# Altium PCB SAMW25_Xplained_Pro.PcbDoc (part 8 of 9) (continued)
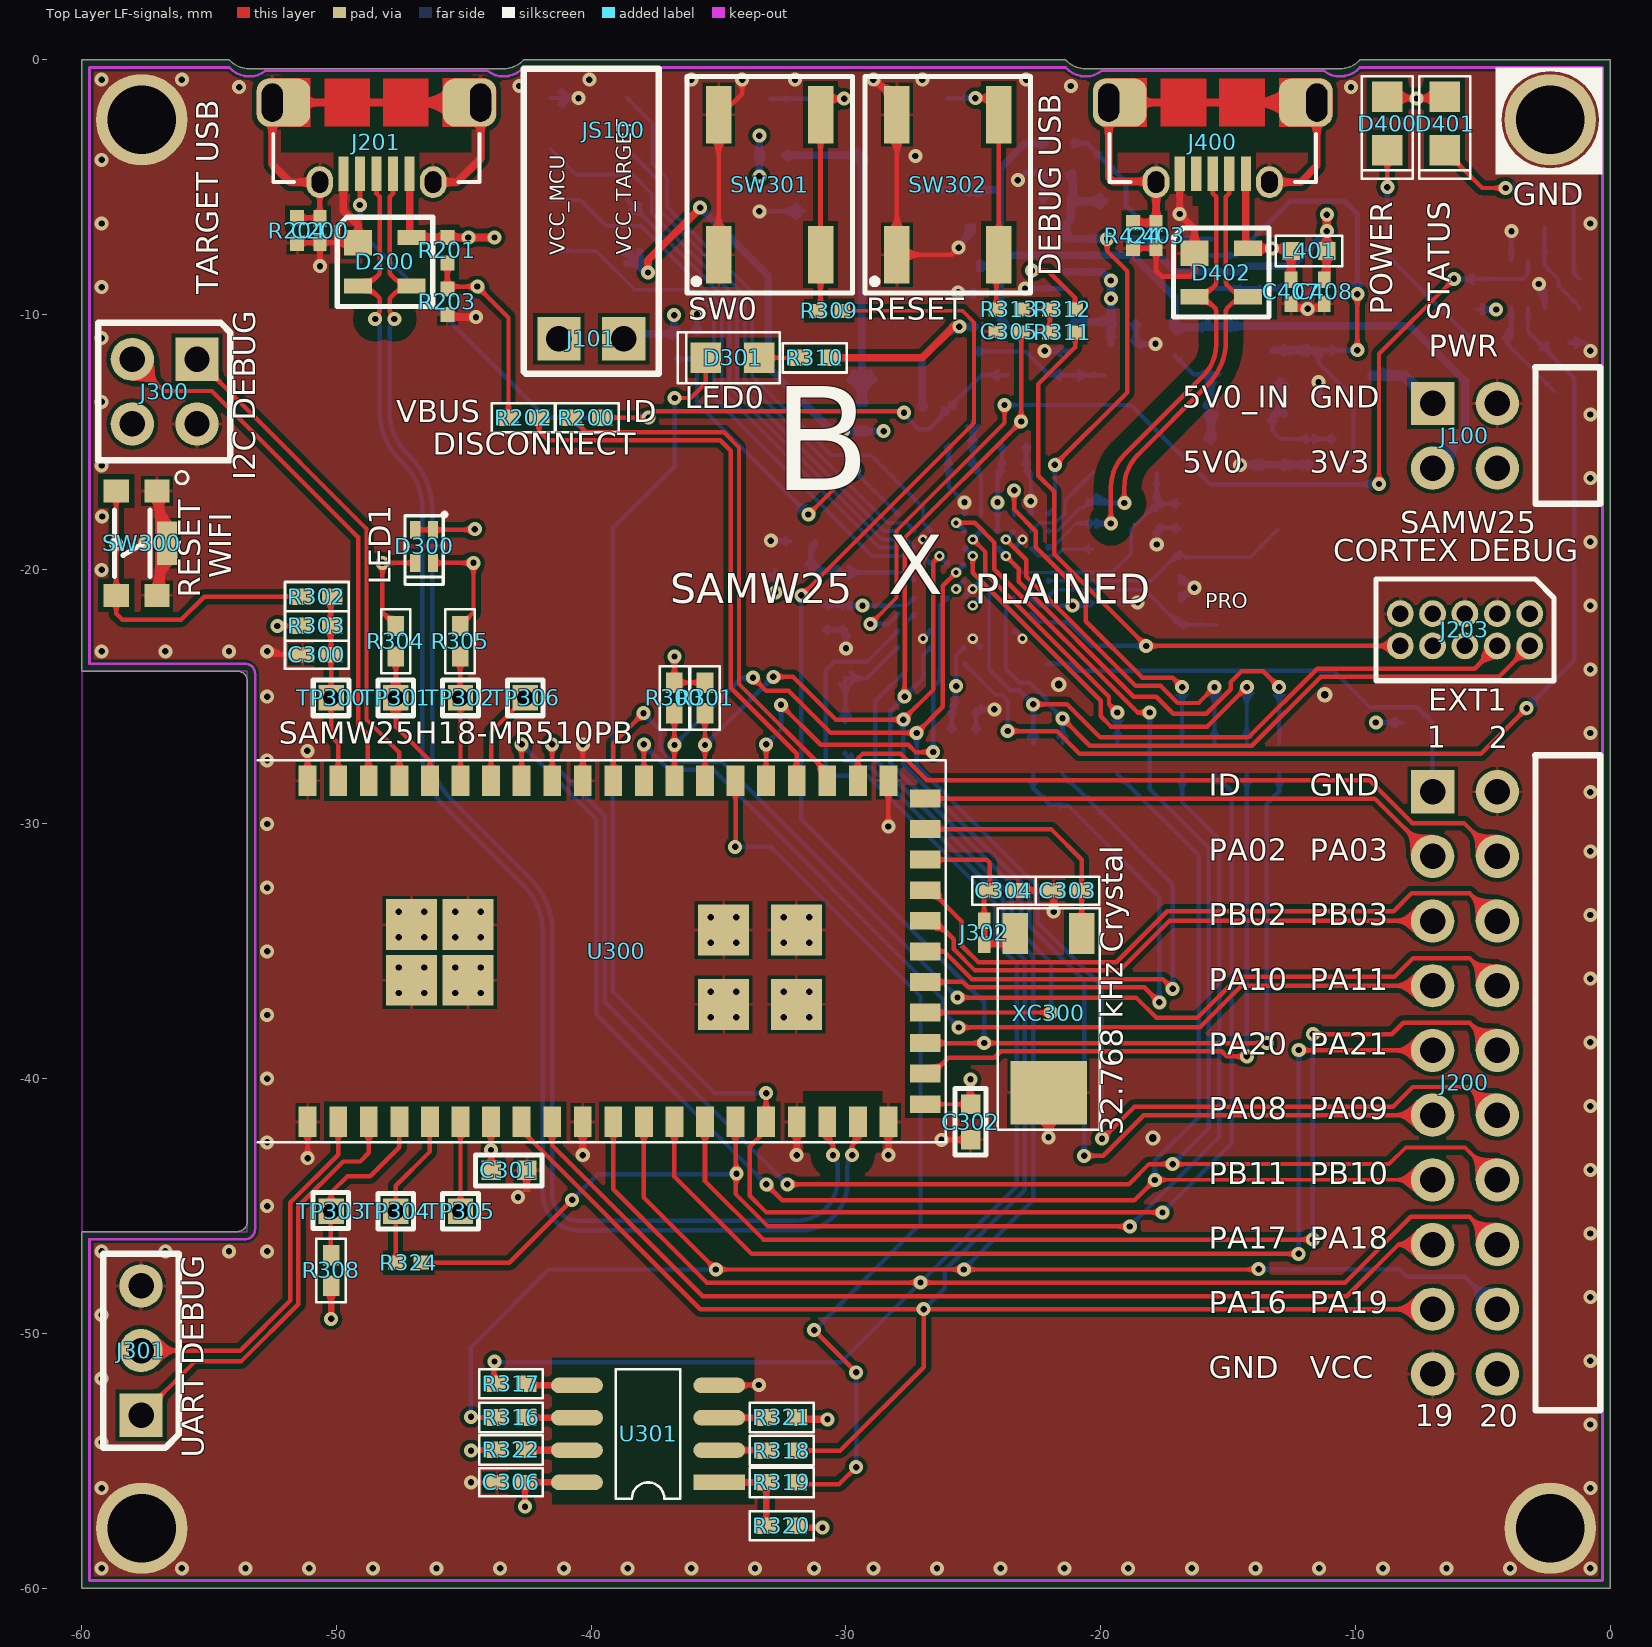
[diagram p0: Top Layer LF-signals view]
## Nets (pads, with @x,y where several pads share a name; then routed paths per layer and width w, separated by ;. In a path a pad name is that pad's centre, name@x,y a point inside that pad or via, vN(x,y) a via of type N, cw(c..) or ccw(c..) an arc to the next point about the centre after c; other vN are vias at no path point) (continued)
VCC_EDBG_USB_P5V0: C102.1 C408.1 L401.2 pad.3@-19.85,-5.55 R105.2 U101.3 U101.8 U400.A10 | length 47.2
  Top Layer LF-signals w0.175: v1(-21.8,-15.9) -18.95,-13.05 -18.95,-8.3 -19.75,-7.5 v1(-19.75,-7.025)
  Top Layer LF-signals w0.3: C408.1@-11.225,-8.625 -11.125,-8.525 L401.2@-11.125,-7.5 v5(-11.125,-6.725) v5(-11.125,-6.075) ; C408.1@-11.296,-8.479 ccw(c-11.708,-8.067) -11.125,-8.067 ; C408.1@-11.296,-8.479 ccw(c-11.708,-8.067) -11.125,-8.067 ; C408.1@-11.296,-8.479 ccw(c-11.708,-8.067) -11.125,-8.067 ; L401.2@-11.266,-7.641 cw(c-11.608,-7.983) -11.125,-7.983 ; L401.2@-11.266,-7.641 cw(c-11.608,-7.983) -11.125,-7.983 ; L401.2@-11.266,-7.641 cw(c-11.608,-7.983) -11.125,-7.983 ; L401.2@-11.266,-7.359 ccw(c-11.608,-7.017) -11.125,-7.017 ; L401.2@-11.266,-7.359 ccw(c-11.608,-7.017) -11.125,-7.017 ; L401.2@-11.266,-7.359 ccw(c-11.608,-7.017) -11.125,-7.017 ; -11.173,-8.266 ccw(c-11.011,-8.359) C408.1@-11.15,-8.483 ; -11.173,-8.266 ccw(c-11.011,-8.359) C408.1@-11.15,-8.483 ; -11.173,-8.266 ccw(c-11.011,-8.359) C408.1@-11.15,-8.483 ; -11.125,-7.983 cw(c-10.642,-7.983) L401.2@-10.984,-7.641 ; -11.125,-7.983 cw(c-10.642,-7.983) L401.2@-10.984,-7.641 ; -11.125,-7.983 cw(c-10.642,-7.983) L401.2@-10.984,-7.641 ; -11.125,-7.017 ccw(c-10.642,-7.017) L401.2@-10.984,-7.359 ; -11.125,-7.017 ccw(c-10.642,-7.017) L401.2@-10.984,-7.359 ; -11.125,-7.017 ccw(c-10.642,-7.017) L401.2@-10.984,-7.359
  Bottom Layer LF-signals w0.15: U400.A10@-22.1,-17.85 -21.8,-17.55 v1(-21.8,-15.9) ; U400.A10@-22.1,-17.785 ccw(c-22.1,-17.628) -21.989,-17.739 ; U400.A10@-22.1,-17.785 ccw(c-22.1,-17.628) -21.989,-17.739 ; U400.A10@-22.1,-17.785 ccw(c-22.1,-17.628) -21.989,-17.739 ; U400.A10@-22.035,-17.85 cw(c-21.878,-17.85) -21.989,-17.739 ; U400.A10@-22.035,-17.85 cw(c-21.878,-17.85) -21.989,-17.739 ; U400.A10@-22.035,-17.85 cw(c-21.878,-17.85) -21.989,-17.739
  Bottom Layer LF-signals w0.3: R105.2@-21.1,-4.425 C102.1@-21.1,-5.55 ; pad.3@-19.85,-5.55 C102.1@-21.1,-5.55 ; v5@-11.162,-6.763 -12.5,-8.1 -14.325,-8.1 -14.55,-8.325 U101.3@-15.65,-8.325 -17.075,-8.325 -18.375,-7.025 v1(-19.75,-7.025) U101.8@-21.35,-7.025 -21.35,-6.45 -21.175,-6.275 -21.175,-5.55 C102.1@-21.1,-5.55 ; v5(-11.125,-6.725) v5(-11.125,-6.075) ; R105.2@-21.263,-4.513 cw(c-21.658,-4.908) -21.1,-4.908 ; R105.2@-21.263,-4.513 cw(c-21.658,-4.908) -21.1,-4.908 ; R105.2@-21.263,-4.513 cw(c-21.658,-4.908) -21.1,-4.908 ; C102.1@-21.221,-5.479 ccw(c-21.512,-5.188) -21.1,-5.188 ; C102.1@-21.221,-5.479 ccw(c-21.512,-5.188) -21.1,-5.188 ; C102.1@-21.221,-5.479 ccw(c-21.512,-5.188) -21.1,-5.188 ; -21.175,-5.852 cw(c-20.848,-5.852) C102.1@-21.079,-5.621 ; -21.175,-5.852 cw(c-20.848,-5.852) C102.1@-21.079,-5.621 ; -21.175,-5.852 cw(c-20.848,-5.852) C102.1@-21.079,-5.621 ; -20.454,-5.55 cw(c-20.454,-6.154) pad.3@-20.027,-5.727 ; -20.454,-5.55 ccw(c-20.454,-4.946) pad.3@-20.027,-5.373 ; -20.454,-5.55 ccw(c-20.454,-4.946) pad.3@-20.027,-5.373 ; -20.454,-5.55 cw(c-20.454,-6.154) pad.3@-20.027,-5.727 ; -20.454,-5.55 ccw(c-20.454,-4.946) pad.3@-20.027,-5.373 ; -20.454,-5.55 cw(c-20.454,-6.154) pad.3@-20.027,-5.727 ; -20.052,-7.025 cw(c-20.052,-7.327) v1@-19.838,-7.113 ; -20.052,-7.025 ccw(c-20.052,-6.723) v1@-19.838,-6.937 ; -20.052,-7.025 ccw(c-20.052,-6.723) v1@-19.838,-6.937 ; -20.052,-7.025 cw(c-20.052,-7.327) v1@-19.838,-7.113 ; -20.052,-7.025 ccw(c-20.052,-6.723) v1@-19.838,-6.937 ; -20.052,-7.025 cw(c-20.052,-7.327) v1@-19.838,-7.113 ; v1@-19.662,-7.113 cw(c-19.448,-7.327) -19.448,-7.025 ; v1@-19.662,-7.113 cw(c-19.448,-7.327) -19.448,-7.025 ; v1@-19.662,-7.113 cw(c-19.448,-7.327) -19.448,-7.025 ; v1@-19.662,-6.937 ccw(c-19.448,-6.723) -19.448,-7.025 ; v1@-19.662,-6.937 ccw(c-19.448,-6.723) -19.448,-7.025 ; v1@-19.662,-6.937 ccw(c-19.448,-6.723) -19.448,-7.025
VCC_EXT_P5V0: J100.1@-6.97,-13.49 Q100.3 | length 3.8
  Bottom Layer LF-signals w0.4: Q100.3@-9.35,-12.4 -8.068,-12.4 J100.1@-6.978,-13.49 ; Q100.3@-8.929,-12.279 ccw(c-8.638,-11.988) -8.638,-12.4 ; Q100.3@-8.929,-12.279 ccw(c-8.638,-11.988) -8.638,-12.4 ; Q100.3@-8.929,-12.279 ccw(c-8.638,-11.988) -8.638,-12.4
VCC_MCU_P3V3: C301.1 C302.1 J101.1 U300.7 U300.21 | length 18.1
  Top Layer LF-signals w0.15: C301.1@-43.95,-43.8 C301.1@-43.925,-43.775 ; C301.1@-43.935,-43.525 v1(-43.935,-42.8) U300.7@-43.935,-41.696 ; U300.21@-26.894,-41 C302.1@-25.11,-41 ; C301.1@-44.15,-43.384 ccw(c-44.669,-42.865) v1@-43.935,-42.865 ; C301.1@-44.15,-43.384 ccw(c-44.669,-42.865) v1@-43.935,-42.865 ; C301.1@-44.15,-43.384 ccw(c-44.669,-42.865) v1@-43.935,-42.865 ; U300.7@-44.13,-42.141 cw(c-44.599,-42.61) v1@-43.935,-42.61 ; U300.7@-44.13,-42.141 cw(c-44.599,-42.61) v1@-43.935,-42.61 ; U300.7@-44.13,-42.141 cw(c-44.599,-42.61) v1@-43.935,-42.61 ; v1@-43.935,-42.858 ccw(c-43.191,-42.858) C301.1@-43.717,-43.384 ; v1@-43.935,-42.858 ccw(c-43.191,-42.858) C301.1@-43.717,-43.384 ; v1@-43.935,-42.858 ccw(c-43.191,-42.858) C301.1@-43.717,-43.384 ; v1@-43.935,-42.61 cw(c-43.271,-42.61) U300.7@-43.741,-42.141 ; v1@-43.935,-42.61 cw(c-43.271,-42.61) U300.7@-43.741,-42.141 ; v1@-43.935,-42.61 cw(c-43.271,-42.61) U300.7@-43.741,-42.141
  Top Layer LF-signals w0.175: U300.7@-43.96,-41.721 U300.7@-43.935,-41.696 ; C302.1@-25.11,-41.002 -25.11,-41 v1(-25.11,-40.025) ; C302.1@-25.318,-40.794 ccw(c-25.819,-40.293) v1@-25.11,-40.293 ; C302.1@-25.318,-40.794 ccw(c-25.819,-40.293) v1@-25.11,-40.293 ; C302.1@-25.318,-40.794 ccw(c-25.819,-40.293) v1@-25.11,-40.293 ; v1@-25.256,-40.143 cw(c-25.597,-40.418) -25.174,-40.531 ; v1@-25.256,-40.143 cw(c-25.597,-40.418) -25.174,-40.531 ; v1@-25.256,-40.143 cw(c-25.597,-40.418) -25.174,-40.531 ; v1@-25.256,-40.143 cw(c-25.597,-40.418) -25.174,-40.531 ; v1@-25.256,-40.143 cw(c-25.597,-40.418) -25.174,-40.531 ; v1@-25.256,-40.143 cw(c-25.597,-40.418) -25.174,-40.531 ; -25.117,-40.318 cw(c-24.908,-40.374) v1@-25.016,-40.187 ; -25.117,-40.318 cw(c-24.908,-40.374) v1@-25.016,-40.187 ; -25.117,-40.318 cw(c-24.908,-40.374) v1@-25.016,-40.187 ; -25.117,-40.318 cw(c-24.908,-40.374) v1@-25.016,-40.187 ; -25.117,-40.318 cw(c-24.908,-40.374) v1@-25.016,-40.187 ; -25.117,-40.318 cw(c-24.908,-40.374) v1@-25.016,-40.187 ; v1@-25.11,-40.293 ccw(c-24.401,-40.293) C302.1@-24.902,-40.794 ; v1@-25.11,-40.293 ccw(c-24.401,-40.293) C302.1@-24.902,-40.794 ; v1@-25.11,-40.293 ccw(c-24.401,-40.293) C302.1@-24.902,-40.794
VCC_P3V3: C104.1 R111.1 R425.2 U100.2 U100.4 | length 32.6
  Bottom Layer LF-signals w0.3: R111.1@-32.4,-3.75 C104.1@-29.399,-3.75 ; C104.1@-29.375,-3.826 U100.2@-29.375,-5.95 U100.4@-29.375,-11.75 R425.2@-29.375,-13.35 ; R111.1@-32.287,-3.838 cw(c-32.073,-4.052) -32.073,-3.75 ; R111.1@-32.287,-3.838 cw(c-32.073,-4.052) -32.073,-3.75 ; R111.1@-32.287,-3.838 cw(c-32.073,-4.052) -32.073,-3.75 ; R111.1@-32.287,-3.662 ccw(c-32.073,-3.448) -32.073,-3.75 ; R111.1@-32.287,-3.662 ccw(c-32.073,-3.448) -32.073,-3.75 ; R111.1@-32.287,-3.662 ccw(c-32.073,-3.448) -32.073,-3.75 ; -29.956,-3.75 cw(c-29.956,-4.308) C104.1@-29.562,-3.913 ; -29.956,-3.75 ccw(c-29.956,-3.192) C104.1@-29.562,-3.587 ; -29.956,-3.75 ccw(c-29.956,-3.192) C104.1@-29.562,-3.587 ; -29.956,-3.75 cw(c-29.956,-4.308) C104.1@-29.562,-3.913 ; -29.956,-3.75 ccw(c-29.956,-3.192) C104.1@-29.562,-3.587 ; -29.956,-3.75 cw(c-29.956,-4.308) C104.1@-29.562,-3.913 ; U100.4@-29.837,-12.552 cw(c-30.296,-13.35) R425.2@-29.375,-13.35 ; U100.4@-29.837,-12.552 cw(c-30.296,-13.35) R425.2@-29.375,-13.35 ; U100.4@-29.837,-12.552 cw(c-30.296,-13.35) R425.2@-29.375,-13.35 ; U100.4@-29.687,-12.292 cw(c-29.997,-12.831) -29.375,-12.831 ; U100.4@-29.687,-12.292 cw(c-29.997,-12.831) -29.375,-12.831 ; U100.4@-29.687,-12.292 cw(c-29.997,-12.831) -29.375,-12.831 ; C104.1@-29.562,-3.913 cw(c-30.013,-4.364) -29.375,-4.364 ; C104.1@-29.562,-3.913 cw(c-30.013,-4.364) -29.375,-4.364 ; C104.1@-29.562,-3.913 cw(c-30.013,-4.364) -29.375,-4.364 ; R425.2@-29.483,-13.487 ccw(c-29.898,-13.248) -29.435,-13.124 ; R425.2@-29.483,-13.487 ccw(c-29.898,-13.248) -29.435,-13.124 ; R425.2@-29.483,-13.487 ccw(c-29.898,-13.248) -29.435,-13.124 ; R425.2@-29.463,-13.462 ccw(c-29.677,-13.248) -29.375,-13.248 ; R425.2@-29.463,-13.462 ccw(c-29.677,-13.248) -29.375,-13.248 ; R425.2@-29.463,-13.462 ccw(c-29.677,-13.248) -29.375,-13.248 ; R425.2@-29.375,-13.35 cw(c-28.454,-13.35) U100.4@-28.913,-12.552 ; R425.2@-29.375,-13.35 cw(c-28.454,-13.35) U100.4@-28.913,-12.552 ; R425.2@-29.375,-13.35 cw(c-28.454,-13.35) U100.4@-28.913,-12.552 ; -29.375,-13.248 ccw(c-29.073,-13.248) R425.2@-29.287,-13.462 ; -29.375,-13.248 ccw(c-29.073,-13.248) R425.2@-29.287,-13.462 ; -29.375,-13.248 ccw(c-29.073,-13.248) R425.2@-29.287,-13.462 ; -29.375,-12.831 cw(c-28.753,-12.831) U100.4@-29.063,-12.292 ; -29.375,-12.831 cw(c-28.753,-12.831) U100.4@-29.063,-12.292 ; -29.375,-12.831 cw(c-28.753,-12.831) U100.4@-29.063,-12.292 ; -29.375,-4.251 cw(c-28.898,-4.251) C104.1@-29.235,-3.913 ; -29.375,-4.251 cw(c-28.898,-4.251) C104.1@-29.235,-3.913 ; -29.375,-4.251 cw(c-28.898,-4.251) C104.1@-29.235,-3.913 ; -29.315,-13.124 ccw(c-28.852,-13.248) R425.2@-29.267,-13.487 ; -29.315,-13.124 ccw(c-28.852,-13.248) R425.2@-29.267,-13.487 ; -29.315,-13.124 ccw(c-28.852,-13.248) R425.2@-29.267,-13.487
VCC_P5V0: C100.1 C101.1 J100.3@-6.97,-16.03 Q101.2 R101.2 R103.2 U100.3 U101.7 U102.5 | length 52.8
  Bottom Layer LF-signals w0.3: U100.3@-27.2,-5.102 -25.525,-5.102 ; C100.1@-24.744,-8.181 cw(c-24.548,-8.377) -24.548,-8.1 ; C100.1@-24.744,-7.969 ccw(c-24.428,-7.653) -24.428,-8.1 ; C100.1@-24.675,-8.175 -24.6,-8.1 -24.05,-8.1 ; -23.974,-5.102 -25.525,-5.102 ; -23.9,-7.675 U101.7@-21.35,-7.675 -18.75,-7.675 -17.1,-9.325 R103.2@-17.1,-10.6 ; U102.5@-23.675,-10.472 -23.95,-10.197 -23.95,-4.25 -22.975,-3.275 R101.2@-22.2,-3.275 ; R103.2@-17.1,-10.5 Q101.2@-15.55,-10.5 ; Q101.2@-15.35,-10.45 -7.85,-10.45 -5.7,-12.6 -5.7,-14.76 J100.3@-6.97,-16.03 ; -25.525,-5.102 cw(c-25.525,-5.641) C101.1@-25.14,-5.263 ; -25.525,-5.102 ccw(c-25.525,-4.562) C101.1@-25.14,-4.94 ; -25.525,-5.102 ccw(c-25.525,-4.562) C101.1@-25.14,-4.94 ; -25.525,-5.102 cw(c-25.525,-5.641) C101.1@-25.14,-5.263 ; -25.525,-5.102 ccw(c-25.525,-4.562) C101.1@-25.14,-4.94 ; -25.525,-5.102 cw(c-25.525,-5.641) C101.1@-25.14,-5.263 ; C101.1@-24.812,-5.265 cw(c-24.417,-5.659) -24.417,-5.102 ; C101.1@-24.812,-5.265 cw(c-24.417,-5.659) -24.417,-5.102 ; C101.1@-24.812,-5.265 cw(c-24.417,-5.659) -24.417,-5.102 ; C101.1@-24.812,-4.938 ccw(c-24.417,-4.544) -24.417,-5.102 ; C101.1@-24.812,-4.938 ccw(c-24.417,-4.544) -24.417,-5.102 ; C101.1@-24.812,-4.938 ccw(c-24.417,-4.544) -24.417,-5.102 ; -24.488,-8.1 ccw(c-24.488,-8.462) -24.744,-8.206 cw(c-24.488,-8.462) -24.488,-8.1 ; -24.488,-8.1 cw(c-24.488,-7.738) -24.744,-7.994 ccw(c-24.488,-7.738) -24.488,-8.1 ; -23.95,-9.868 ccw(c-23.271,-9.868) U102.5@-23.751,-10.348 ; -23.95,-9.868 ccw(c-23.271,-9.868) U102.5@-23.751,-10.348 ; -23.95,-9.868 ccw(c-23.271,-9.868) U102.5@-23.751,-10.348 ; -22.527,-3.275 cw(c-22.527,-3.577) R101.2@-22.313,-3.363 ; -22.527,-3.275 ccw(c-22.527,-2.973) R101.2@-22.313,-3.187 ; -22.527,-3.275 ccw(c-22.527,-2.973) R101.2@-22.313,-3.187 ; -22.527,-3.275 cw(c-22.527,-3.577) R101.2@-22.313,-3.363 ; -22.527,-3.275 ccw(c-22.527,-2.973) R101.2@-22.313,-3.187 ; -22.527,-3.275 cw(c-22.527,-3.577) R101.2@-22.313,-3.363 ; R103.2@-17.188,-10.487 ccw(c-17.402,-10.273) -17.1,-10.273 ; R103.2@-17.188,-10.487 ccw(c-17.402,-10.273) -17.1,-10.273 ; R103.2@-17.188,-10.487 ccw(c-17.402,-10.273) -17.1,-10.273 ; -17.1,-10.273 ccw(c-16.798,-10.273) R103.2@-17.012,-10.487 ; -17.1,-10.273 ccw(c-16.798,-10.273) R103.2@-17.012,-10.487 ; -17.1,-10.273 ccw(c-16.798,-10.273) R103.2@-17.012,-10.487 ; R103.2@-17.012,-10.663 cw(c-16.617,-11.058) -16.617,-10.5 ; R103.2@-17.012,-10.663 cw(c-16.617,-11.058) -16.617,-10.5 ; R103.2@-17.012,-10.663 cw(c-16.617,-11.058) -16.617,-10.5 ; -16.183,-10.5 ccw(c-16.183,-9.967) Q101.2@-15.806,-10.344 ; -16.183,-10.5 ccw(c-16.183,-9.967) Q101.2@-15.806,-10.344 ; -16.183,-10.5 ccw(c-16.183,-9.967) Q101.2@-15.806,-10.344 ; Q101.2@-14.894,-10.556 cw(c-14.638,-10.812) -14.638,-10.45 ; Q101.2@-14.894,-10.556 cw(c-14.638,-10.812) -14.638,-10.45 ; Q101.2@-14.894,-10.556 cw(c-14.638,-10.812) -14.638,-10.45 ; Q101.2@-14.894,-10.344 ccw(c-14.638,-10.088) -14.638,-10.45 ; Q101.2@-14.894,-10.344 ccw(c-14.638,-10.088) -14.638,-10.45 ; Q101.2@-14.894,-10.344 ccw(c-14.638,-10.088) -14.638,-10.45
VCC_TARGET_P3V3: C306.1 D300.1 D300.2 J100.4@-4.43,-16.03 J101.2 J200.20@-4.43,-51.59 J203.1 R109.1 R110.2 R111.2 R112.2 R300.1 R301.1 R303.2 R308.2 R310.2 R312.2 R320.1 R321.1 R322.2 U301.8 | length 63.7
  Top Layer LF-signals w0.175: v1(-52.325,-22.225) R303.2@-51.375,-22.225 ; D300.2@-46.912,-18.45 D300.1@-46.213,-18.45 -44.6,-18.45 v1(-44.575,-18.425) ; v1(-36.735,-23.425) R300.1@-36.735,-24.45 R301.1@-35.535,-24.45 ; v1(-22.7,-8.275) -22.075,-8.275 -21,-9.35 ; R312.2@-21,-9.8 -21,-9.35 ; -52.023,-22.225 cw(c-52.023,-22.798) R303.2@-51.618,-22.393 ; -52.023,-22.225 ccw(c-52.023,-21.652) R303.2@-51.618,-22.057 ; -52.023,-22.225 ccw(c-52.023,-21.652) R303.2@-51.618,-22.057 ; -52.023,-22.225 cw(c-52.023,-22.798) R303.2@-51.618,-22.393 ; -52.023,-22.225 ccw(c-52.023,-21.652) R303.2@-51.618,-22.057 ; -52.023,-22.225 cw(c-52.023,-22.798) R303.2@-51.618,-22.393 ; D300.2@-46.833,-18.53 cw(c-46.641,-18.722) -46.641,-18.45 ; D300.2@-46.833,-18.53 cw(c-46.641,-18.722) -46.641,-18.45 ; D300.2@-46.833,-18.53 cw(c-46.641,-18.722) -46.641,-18.45 ; D300.2@-46.833,-18.37 ccw(c-46.641,-18.178) -46.641,-18.45 ; D300.2@-46.833,-18.37 ccw(c-46.641,-18.178) -46.641,-18.45 ; D300.2@-46.833,-18.37 ccw(c-46.641,-18.178) -46.641,-18.45 ; -46.484,-18.45 cw(c-46.484,-18.722) D300.1@-46.292,-18.53 ; -46.484,-18.45 ccw(c-46.484,-18.178) D300.1@-46.292,-18.37 ; -46.484,-18.45 ccw(c-46.484,-18.178) D300.1@-46.292,-18.37 ; -46.484,-18.45 cw(c-46.484,-18.722) D300.1@-46.292,-18.53 ; -46.484,-18.45 ccw(c-46.484,-18.178) D300.1@-46.292,-18.37 ; -46.484,-18.45 cw(c-46.484,-18.722) D300.1@-46.292,-18.53 ; D300.1@-46.133,-18.53 cw(c-45.941,-18.722) -45.941,-18.45 ; D300.1@-46.133,-18.53 cw(c-45.941,-18.722) -45.941,-18.45 ; D300.1@-46.133,-18.53 cw(c-45.941,-18.722) -45.941,-18.45 ; D300.1@-46.133,-18.37 ccw(c-45.941,-18.178) -45.941,-18.45 ; D300.1@-46.133,-18.37 ccw(c-45.941,-18.178) -45.941,-18.45 ; D300.1@-46.133,-18.37 ccw(c-45.941,-18.178) -45.941,-18.45 ; R300.1@-36.903,-24.207 ccw(c-37.308,-23.802) -36.735,-23.802 ; R300.1@-36.903,-24.207 ccw(c-37.308,-23.802) -36.735,-23.802 ; R300.1@-36.903,-24.207 ccw(c-37.308,-23.802) -36.735,-23.802 ; -36.735,-23.802 ccw(c-36.162,-23.802) R300.1@-36.567,-24.207 ; -36.735,-23.802 ccw(c-36.162,-23.802) R300.1@-36.567,-24.207 ; -36.735,-23.802 ccw(c-36.162,-23.802) R300.1@-36.567,-24.207 ; R300.1@-36.567,-24.618 cw(c-36.162,-25.023) -36.162,-24.45 ; R300.1@-36.567,-24.618 cw(c-36.162,-25.023) -36.162,-24.45 ; R300.1@-36.567,-24.618 cw(c-36.162,-25.023) -36.162,-24.45 ; R300.1@-36.567,-24.282 ccw(c-36.162,-23.877) -36.162,-24.45 ; R300.1@-36.567,-24.282 ccw(c-36.162,-23.877) -36.162,-24.45 ; R300.1@-36.567,-24.282 ccw(c-36.162,-23.877) -36.162,-24.45 ; -36.108,-24.45 cw(c-36.108,-25.023) R301.1@-35.703,-24.618 ; -36.108,-24.45 ccw(c-36.108,-23.877) R301.1@-35.703,-24.282 ; -36.108,-24.45 ccw(c-36.108,-23.877) R301.1@-35.703,-24.282 ; -36.108,-24.45 cw(c-36.108,-25.023) R301.1@-35.703,-24.618 ; -36.108,-24.45 ccw(c-36.108,-23.877) R301.1@-35.703,-24.282 ; -36.108,-24.45 cw(c-36.108,-25.023) R301.1@-35.703,-24.618 ; R312.2@-21.132,-9.667 ccw(c-21.446,-9.35) -21,-9.35 ; R312.2@-21.132,-9.667 ccw(c-21.446,-9.35) -21,-9.35 ; R312.2@-21.132,-9.667 ccw(c-21.446,-9.35) -21,-9.35 ; -21,-9.35 ccw(c-20.554,-9.35) R312.2@-20.868,-9.667 ; -21,-9.35 ccw(c-20.554,-9.35) R312.2@-20.868,-9.667 ; -21,-9.35 ccw(c-20.554,-9.35) R312.2@-20.868,-9.667
  Top Layer LF-signals w0.25: v1(-50.215,-49.429) R308.2@-50.215,-48.125 ; v2@-44.7,-54.575 R322.2@-43.75,-54.575 ; v1(-42.6,-56.8) C306.1@-42.6,-55.85 ; C306.1@-42.575,-55.85 U301.8@-41.038,-55.85 ; R320.1@-31.85,-57.625 v1(-30.925,-57.625) ; R308.2@-50.356,-48.341 cw(c-50.698,-48.683) -50.215,-48.683 ; R308.2@-50.356,-48.341 cw(c-50.698,-48.683) -50.215,-48.683 ; R308.2@-50.356,-48.341 cw(c-50.698,-48.683) -50.215,-48.683 ; -50.215,-48.683 cw(c-49.732,-48.683) R308.2@-50.074,-48.341 ; -50.215,-48.683 cw(c-49.732,-48.683) R308.2@-50.074,-48.341 ; -50.215,-48.683 cw(c-49.732,-48.683) R308.2@-50.074,-48.341 ; -44.308,-54.575 cw(c-44.308,-55.058) R322.2@-43.966,-54.716 ; -44.308,-54.575 ccw(c-44.308,-54.092) R322.2@-43.966,-54.434 ; -44.308,-54.575 ccw(c-44.308,-54.092) R322.2@-43.966,-54.434 ; -44.308,-54.575 cw(c-44.308,-55.058) R322.2@-43.966,-54.716 ; -44.308,-54.575 ccw(c-44.308,-54.092) R322.2@-43.966,-54.434 ; -44.308,-54.575 cw(c-44.308,-55.058) R322.2@-43.966,-54.716 ; C306.1@-42.724,-55.974 cw(c-43.022,-56.272) -42.6,-56.272 ; C306.1@-42.724,-55.974 cw(c-43.022,-56.272) -42.6,-56.272 ; C306.1@-42.724,-55.974 cw(c-43.022,-56.272) -42.6,-56.272 ; -42.6,-56.272 cw(c-42.178,-56.272) C306.1@-42.476,-55.974 ; -42.6,-56.272 cw(c-42.178,-56.272) C306.1@-42.476,-55.974 ; -42.6,-56.272 cw(c-42.178,-56.272) C306.1@-42.476,-55.974 ; C306.1@-42.326,-55.974 cw(c-42.028,-56.272) -42.028,-55.85 ; C306.1@-42.326,-55.974 cw(c-42.028,-56.272) -42.028,-55.85 ; C306.1@-42.326,-55.974 cw(c-42.028,-56.272) -42.028,-55.85 ; C306.1@-42.326,-55.726 ccw(c-42.028,-55.428) -42.028,-55.85 ; C306.1@-42.326,-55.726 ccw(c-42.028,-55.428) -42.028,-55.85 ; C306.1@-42.326,-55.726 ccw(c-42.028,-55.428) -42.028,-55.85
  Top Layer LF-signals w0.3: R321.1@-31.825,-53.375 v1(-30.725,-53.375) ; R310.2@-30.625,-11.7 -27,-11.7 v1@-25.8,-10.5 ; v1@-25.816,-10.466 -25.75,-10.4 v1@-25.65,-10.5 ; R310.2@-30.426,-11.824 cw(c-30.128,-12.122) -30.128,-11.7 ; R310.2@-30.426,-11.824 cw(c-30.128,-12.122) -30.128,-11.7 ; R310.2@-30.426,-11.824 cw(c-30.128,-12.122) -30.128,-11.7 ; R310.2@-30.426,-11.576 ccw(c-30.128,-11.278) -30.128,-11.7 ; R310.2@-30.426,-11.576 ccw(c-30.128,-11.278) -30.128,-11.7 ; R310.2@-30.426,-11.576 ccw(c-30.128,-11.278) -30.128,-11.7
  Bottom Layer LF-signals w0.3: J101.2@-38.53,-10.75 R112.2@-36.725,-10.75 R112.2@-36.75,-10.725 ; R112.2@-36.813,-10.838 ccw(c-37.027,-11.052) -37.027,-10.75 ccw(c-37.027,-10.448) R112.2@-36.813,-10.662 ; R112.2@-36.75,-10.737 R112.2@-36.75,-10.725 ; -36.75,-10.363 ccw(c-36.363,-10.363) R112.2@-36.637,-10.637 ; v1(-36.75,-10.025) R112.2@-36.75,-10.725 ; v5(-33.4,-4.575) v5(-33.4,-2.975) ; R110.2@-26.975,-13.675 -27,-13.65 -27,-11.65 -25.816,-10.466 -25.807,-10.475 R109.1@-24.925,-10.475 ; -26.233,-10.883 cw(c-25.55,-11.566) v1@-25.55,-10.6 ; R111.2@-33.488,-3.838 cw(c-33.702,-4.052) -33.4,-4.052 ; R111.2@-33.488,-3.838 cw(c-33.702,-4.052) -33.4,-4.052 ; R111.2@-33.488,-3.838 cw(c-33.702,-4.052) -33.4,-4.052 ; R111.2@-33.488,-3.662 ccw(c-33.702,-3.448) -33.4,-3.448 ; R111.2@-33.488,-3.662 ccw(c-33.702,-3.448) -33.4,-3.448 ; R111.2@-33.488,-3.662 ccw(c-33.702,-3.448) -33.4,-3.448 ; -33.4,-4.052 cw(c-33.098,-4.052) R111.2@-33.312,-3.838 ; -33.4,-4.052 cw(c-33.098,-4.052) R111.2@-33.312,-3.838 ; -33.4,-4.052 cw(c-33.098,-4.052) R111.2@-33.312,-3.838 ; -33.4,-3.448 ccw(c-33.098,-3.448) R111.2@-33.312,-3.662 ; -33.4,-3.448 ccw(c-33.098,-3.448) R111.2@-33.312,-3.662 ; -33.4,-3.448 ccw(c-33.098,-3.448) R111.2@-33.312,-3.662 ; R110.2@-27.088,-13.587 ccw(c-27.302,-13.373) -27,-13.373 ; R110.2@-27.088,-13.587 ccw(c-27.302,-13.373) -27,-13.373 ; R110.2@-27.088,-13.587 ccw(c-27.302,-13.373) -27,-13.373 ; -27,-13.373 ccw(c-26.698,-13.373) R110.2@-26.912,-13.587 ; -27,-13.373 ccw(c-26.698,-13.373) R110.2@-26.912,-13.587 ; -27,-13.373 ccw(c-26.698,-13.373) R110.2@-26.912,-13.587 ; -25.227,-10.475 cw(c-25.227,-10.777) R109.1@-25.013,-10.563 ; -25.227,-10.475 ccw(c-25.227,-10.173) R109.1@-25.013,-10.387 ; -25.227,-10.475 ccw(c-25.227,-10.173) R109.1@-25.013,-10.387 ; -25.227,-10.475 cw(c-25.227,-10.777) R109.1@-25.013,-10.563 ; -25.227,-10.475 ccw(c-25.227,-10.173) R109.1@-25.013,-10.387 ; -25.227,-10.475 cw(c-25.227,-10.777) R109.1@-25.013,-10.563
  other v1: -25.55,-10.475
  other v2: -44.725,-54.6
VCC_TARGET_USB_P5V0: C103.1 D200.4 J201.1 R106.2 R201.2 U101.6 U102.1 | length 20.5
  Top Layer LF-signals w0.3: D200.4@-47.134,-6.894 J201.1@-47.134,-4.475 ; D200.4@-47.047,-6.975 R201.2@-45.65,-6.975 -44.575,-6.975 v1(-43.8,-6.975) ; D200.4@-46.694,-7.084 cw(c-46.431,-7.347) -46.431,-6.975 ; D200.4@-46.694,-7.084 cw(c-46.431,-7.347) -46.431,-6.975 ; D200.4@-46.694,-7.084 cw(c-46.431,-7.347) -46.431,-6.975 ; D200.4@-46.694,-6.872 ccw(c-46.445,-6.623) -46.445,-6.975 ; D200.4@-46.694,-6.872 ccw(c-46.445,-6.623) -46.445,-6.975 ; D200.4@-46.694,-6.872 ccw(c-46.445,-6.623) -46.445,-6.975 ; -45.952,-6.975 cw(c-45.952,-7.277) R201.2@-45.738,-7.063 ; -45.952,-6.975 ccw(c-45.952,-6.673) R201.2@-45.738,-6.887 ; -45.952,-6.975 ccw(c-45.952,-6.673) R201.2@-45.738,-6.887 ; -45.952,-6.975 cw(c-45.952,-7.277) R201.2@-45.738,-7.063 ; -45.952,-6.975 ccw(c-45.952,-6.673) R201.2@-45.738,-6.887 ; -45.952,-6.975 cw(c-45.952,-7.277) R201.2@-45.738,-7.063 ; R201.2@-45.562,-7.063 cw(c-45.348,-7.277) -45.348,-6.975 ; R201.2@-45.562,-7.063 cw(c-45.348,-7.277) -45.348,-6.975 ; R201.2@-45.562,-7.063 cw(c-45.348,-7.277) -45.348,-6.975 ; R201.2@-45.562,-6.887 ccw(c-45.348,-6.673) -45.348,-6.975 ; R201.2@-45.562,-6.887 ccw(c-45.348,-6.673) -45.348,-6.975 ; R201.2@-45.562,-6.887 ccw(c-45.348,-6.673) -45.348,-6.975
  Bottom Layer LF-signals w0.3: U101.6@-21.35,-8.325 -19.935,-8.325 v2(-19.6,-8.66) v2(-19.6,-9.375) C103.1@-19.6,-11.15 ; U102.1@-21.225,-10.472 -21.028,-10.275 R106.2@-19.625,-10.275 ; -19.952,-10.275 cw(c-19.952,-10.577) R106.2@-19.738,-10.363 ; -19.952,-10.275 ccw(c-19.952,-9.973) R106.2@-19.738,-10.187 ; -19.952,-10.275 ccw(c-19.952,-9.973) R106.2@-19.738,-10.187 ; -19.952,-10.275 cw(c-19.952,-10.577) R106.2@-19.738,-10.363 ; -19.952,-10.275 ccw(c-19.952,-9.973) R106.2@-19.738,-10.187 ; -19.952,-10.275 cw(c-19.952,-10.577) R106.2@-19.738,-10.363 ; R106.2@-19.688,-10.363 cw(c-19.902,-10.577) -19.6,-10.577 ; R106.2@-19.688,-10.363 cw(c-19.902,-10.577) -19.6,-10.577 ; R106.2@-19.688,-10.363 cw(c-19.902,-10.577) -19.6,-10.577 ; R106.2@-19.688,-10.187 ccw(c-19.902,-9.973) -19.6,-9.973 ; R106.2@-19.688,-10.187 ccw(c-19.902,-9.973) -19.6,-9.973 ; R106.2@-19.688,-10.187 ccw(c-19.902,-9.973) -19.6,-9.973 ; -19.6,-10.577 cw(c-19.298,-10.577) R106.2@-19.512,-10.363 ; -19.6,-10.577 cw(c-19.298,-10.577) R106.2@-19.512,-10.363 ; -19.6,-10.577 cw(c-19.298,-10.577) R106.2@-19.512,-10.363 ; -19.6,-9.973 ccw(c-19.298,-9.973) R106.2@-19.512,-10.187 ; -19.6,-9.973 ccw(c-19.298,-9.973) R106.2@-19.512,-10.187 ; -19.6,-9.973 ccw(c-19.298,-9.973) R106.2@-19.512,-10.187
  other v3: -44.825,-6.975
XIN0: C400.1 U400.A5 XC400.1 | length 13.3
  Bottom Layer LF-signals w0.15: U400.A5@-22.1,-21.1 -21.8,-20.8 -18.275,-20.8 C400.1@-16.9,-22.175 XC400.1@-15.425,-22.175 ; U400.A5@-22.1,-21.035 ccw(c-22.1,-20.878) -21.989,-20.989 ; U400.A5@-22.1,-21.035 ccw(c-22.1,-20.878) -21.989,-20.989 ; U400.A5@-22.1,-21.035 ccw(c-22.1,-20.878) -21.989,-20.989 ; U400.A5@-22.035,-21.1 cw(c-21.878,-21.1) -21.989,-20.989 ; U400.A5@-22.035,-21.1 cw(c-21.878,-21.1) -21.989,-20.989 ; U400.A5@-22.035,-21.1 cw(c-21.878,-21.1) -21.989,-20.989 ; -17.327,-21.748 ccw(c-16.9,-21.321) C400.1@-16.9,-21.925 ; -17.327,-21.748 ccw(c-16.9,-21.321) C400.1@-16.9,-21.925 ; -17.327,-21.748 ccw(c-16.9,-21.321) C400.1@-16.9,-21.925 ; -17.211,-21.842 cw(c-17.319,-22.246) C400.1@-16.924,-22.108 ; -17.211,-21.842 cw(c-17.319,-22.246) C400.1@-16.924,-22.108 ; -17.211,-21.842 cw(c-17.319,-22.246) C400.1@-16.924,-22.108 ; C400.1@-17.146,-21.929 cw(c-17.316,-22.1) C400.1@-17.075,-22.1 ; C400.1@-17.146,-21.929 cw(c-17.316,-22.1) C400.1@-17.075,-22.1 ; C400.1@-17.146,-21.929 cw(c-17.316,-22.1) C400.1@-17.075,-22.1 ; C400.1@-16.776,-22.299 cw(c-16.478,-22.597) -16.478,-22.175 ; C400.1@-16.776,-22.299 cw(c-16.478,-22.597) -16.478,-22.175 ; C400.1@-16.776,-22.299 cw(c-16.478,-22.597) -16.478,-22.175 ; C400.1@-16.776,-22.051 ccw(c-16.478,-21.753) -16.478,-22.175 ; C400.1@-16.776,-22.051 ccw(c-16.478,-21.753) -16.478,-22.175 ; C400.1@-16.776,-22.051 ccw(c-16.478,-21.753) -16.478,-22.175
XOUT0: C401.1 U400.A6 XC400.3 | length 14
  Bottom Layer LF-signals w0.15: U400.A6@-22.1,-20.45 -18.025,-20.45 C401.1@-16.9,-19.325 -16.7,-19.525 -14.125,-19.525 XC400.3@-13.025,-18.425 ; U400.A6@-22.054,-20.496 cw(c-21.943,-20.607) -21.943,-20.45 ; U400.A6@-22.054,-20.496 cw(c-21.943,-20.607) -21.943,-20.45 ; U400.A6@-22.054,-20.496 cw(c-21.943,-20.607) -21.943,-20.45 ; U400.A6@-22.054,-20.404 ccw(c-21.943,-20.293) -21.943,-20.45 ; U400.A6@-22.054,-20.404 ccw(c-21.943,-20.293) -21.943,-20.45 ; U400.A6@-22.054,-20.404 ccw(c-21.943,-20.293) -21.943,-20.45 ; -17.327,-19.752 cw(c-16.9,-20.179) C401.1@-16.9,-19.575 ; -17.327,-19.752 cw(c-16.9,-20.179) C401.1@-16.9,-19.575 ; -17.327,-19.752 cw(c-16.9,-20.179) C401.1@-16.9,-19.575 ; -17.211,-19.658 ccw(c-17.319,-19.254) C401.1@-16.924,-19.392 ; -17.211,-19.658 ccw(c-17.319,-19.254) C401.1@-16.924,-19.392 ; -17.211,-19.658 ccw(c-17.319,-19.254) C401.1@-16.924,-19.392 ; C401.1@-17.146,-19.571 ccw(c-17.316,-19.4) C401.1@-17.075,-19.4 ; C401.1@-17.146,-19.571 ccw(c-17.316,-19.4) C401.1@-17.075,-19.4 ; C401.1@-17.146,-19.571 ccw(c-17.316,-19.4) C401.1@-17.075,-19.4
pads on no net: J100.1@-6.97,-13.49 J100.2@-4.43,-13.49 J100.3@-6.97,-16.03 J100.4@-4.43,-16.03 J200.1@-6.97,-28.73 J200.2@-4.43,-28.73 J200.3@-6.97,-31.27 J200.4@-4.43,-31.27 J200.5@-6.97,-33.81 J200.6@-4.43,-33.81 J200.7@-6.97,-36.35 J200.8@-4.43,-36.35 J200.9@-6.97,-38.89 J200.10@-4.43,-38.89 J200.11@-6.97,-41.43 J200.12@-4.43,-41.43 J200.13@-6.97,-43.97 J200.14@-4.43,-43.97 J200.15@-6.97,-46.51 J200.16@-4.43,-46.51 J200.17@-6.97,-49.05 J200.18@-4.43,-49.05 J200.19@-6.97,-51.59 J200.20@-4.43,-51.59 J201.6@-44.834,-1.675 J201.7@-52.034,-1.675 J201.8@-46.209,-4.8 J201.9@-50.659,-4.8 J203.6 J203.7 J203.8 J300.4 J400.4 J400.6@-12,-1.675 J400.7@-19.2,-1.675 J400.8@-13.375,-4.8 J400.9@-17.825,-4.8 U400.A2 U400.A3 U400.A4 U400.A7 U400.B1 U400.B2 U400.B3 U400.B7 U400.C1 U400.C2 U400.C4 U400.C6 U400.D1 U400.D2 U400.D3 U400.D4 U400.D5 U400.D7 U400.E1 U400.E3 U400.E4 U400.E7 U400.E8 U400.F3 U400.F4 U400.G1 U400.G2 U400.G3 U400.G4 U400.G6 U400.G8 U400.G9 U400.G10 U400.H1 U400.H4 U400.H5 U400.H6 U400.H10 U400.J1 U400.J2 U400.J3 U400.J7 U400.J10 U400.K1 U400.K5 U400.K6 U400.K7 XC400.2 XC400.4

## Polygon pours and split planes (outlines as drawn)
no net on Top Overlay "MountingHole_Index" (solid): -4.5,-0.3 -0.3,-0.3 -0.3,-4.5 -4.5,-4.5
GND on Top Layer LF-signals "Top Layer GND" (solid, remove dead copper, pour order 10): -60.017,0.086 -0.017,0.086 -0.017,-59.914 -60.017,-59.914 -60.017,-45.914 -53.517,-45.914 -53.517,-23.914 -60.017,-23.914
SHIELD on Top Layer LF-signals "Top Layer LF-signals-No Net" (solid, remove dead copper, pour order 13): -10.5,-0.35 -20.675,-0.35 -20.675,-5.475 -10.5,-5.475
TARGET_USB_SHIELD on Top Layer LF-signals "Top Layer LF-signals-No Net" (solid, remove dead copper, pour order 11): -43.684,-0.35 -53.184,-0.35 -53.184,-5.475 -43.684,-5.475
GND on Bottom Layer LF-signals "Bottom Layer GND" (solid, remove dead copper, pour order 9): -59.647,-0.411 -0.21,-0.411 -0.21,-59.605 -59.647,-59.605 -59.647,-45.793 -53.208,-45.793 -53.208,-24.089 -59.647,-24.089